# Altium PCB JTAG批量下载板-V1.6-ASCII.PcbDoc (part 14 of 14)
Units mil, origin at the board's own origin, x right, y up, seen from the top; angles counter-clockwise.
Board outline 7947.6 x 7007.76 mil, 2 copper layers (Top Layer, Bottom Layer); 207 components, 340 nets, 1329 pads, 792 vias.
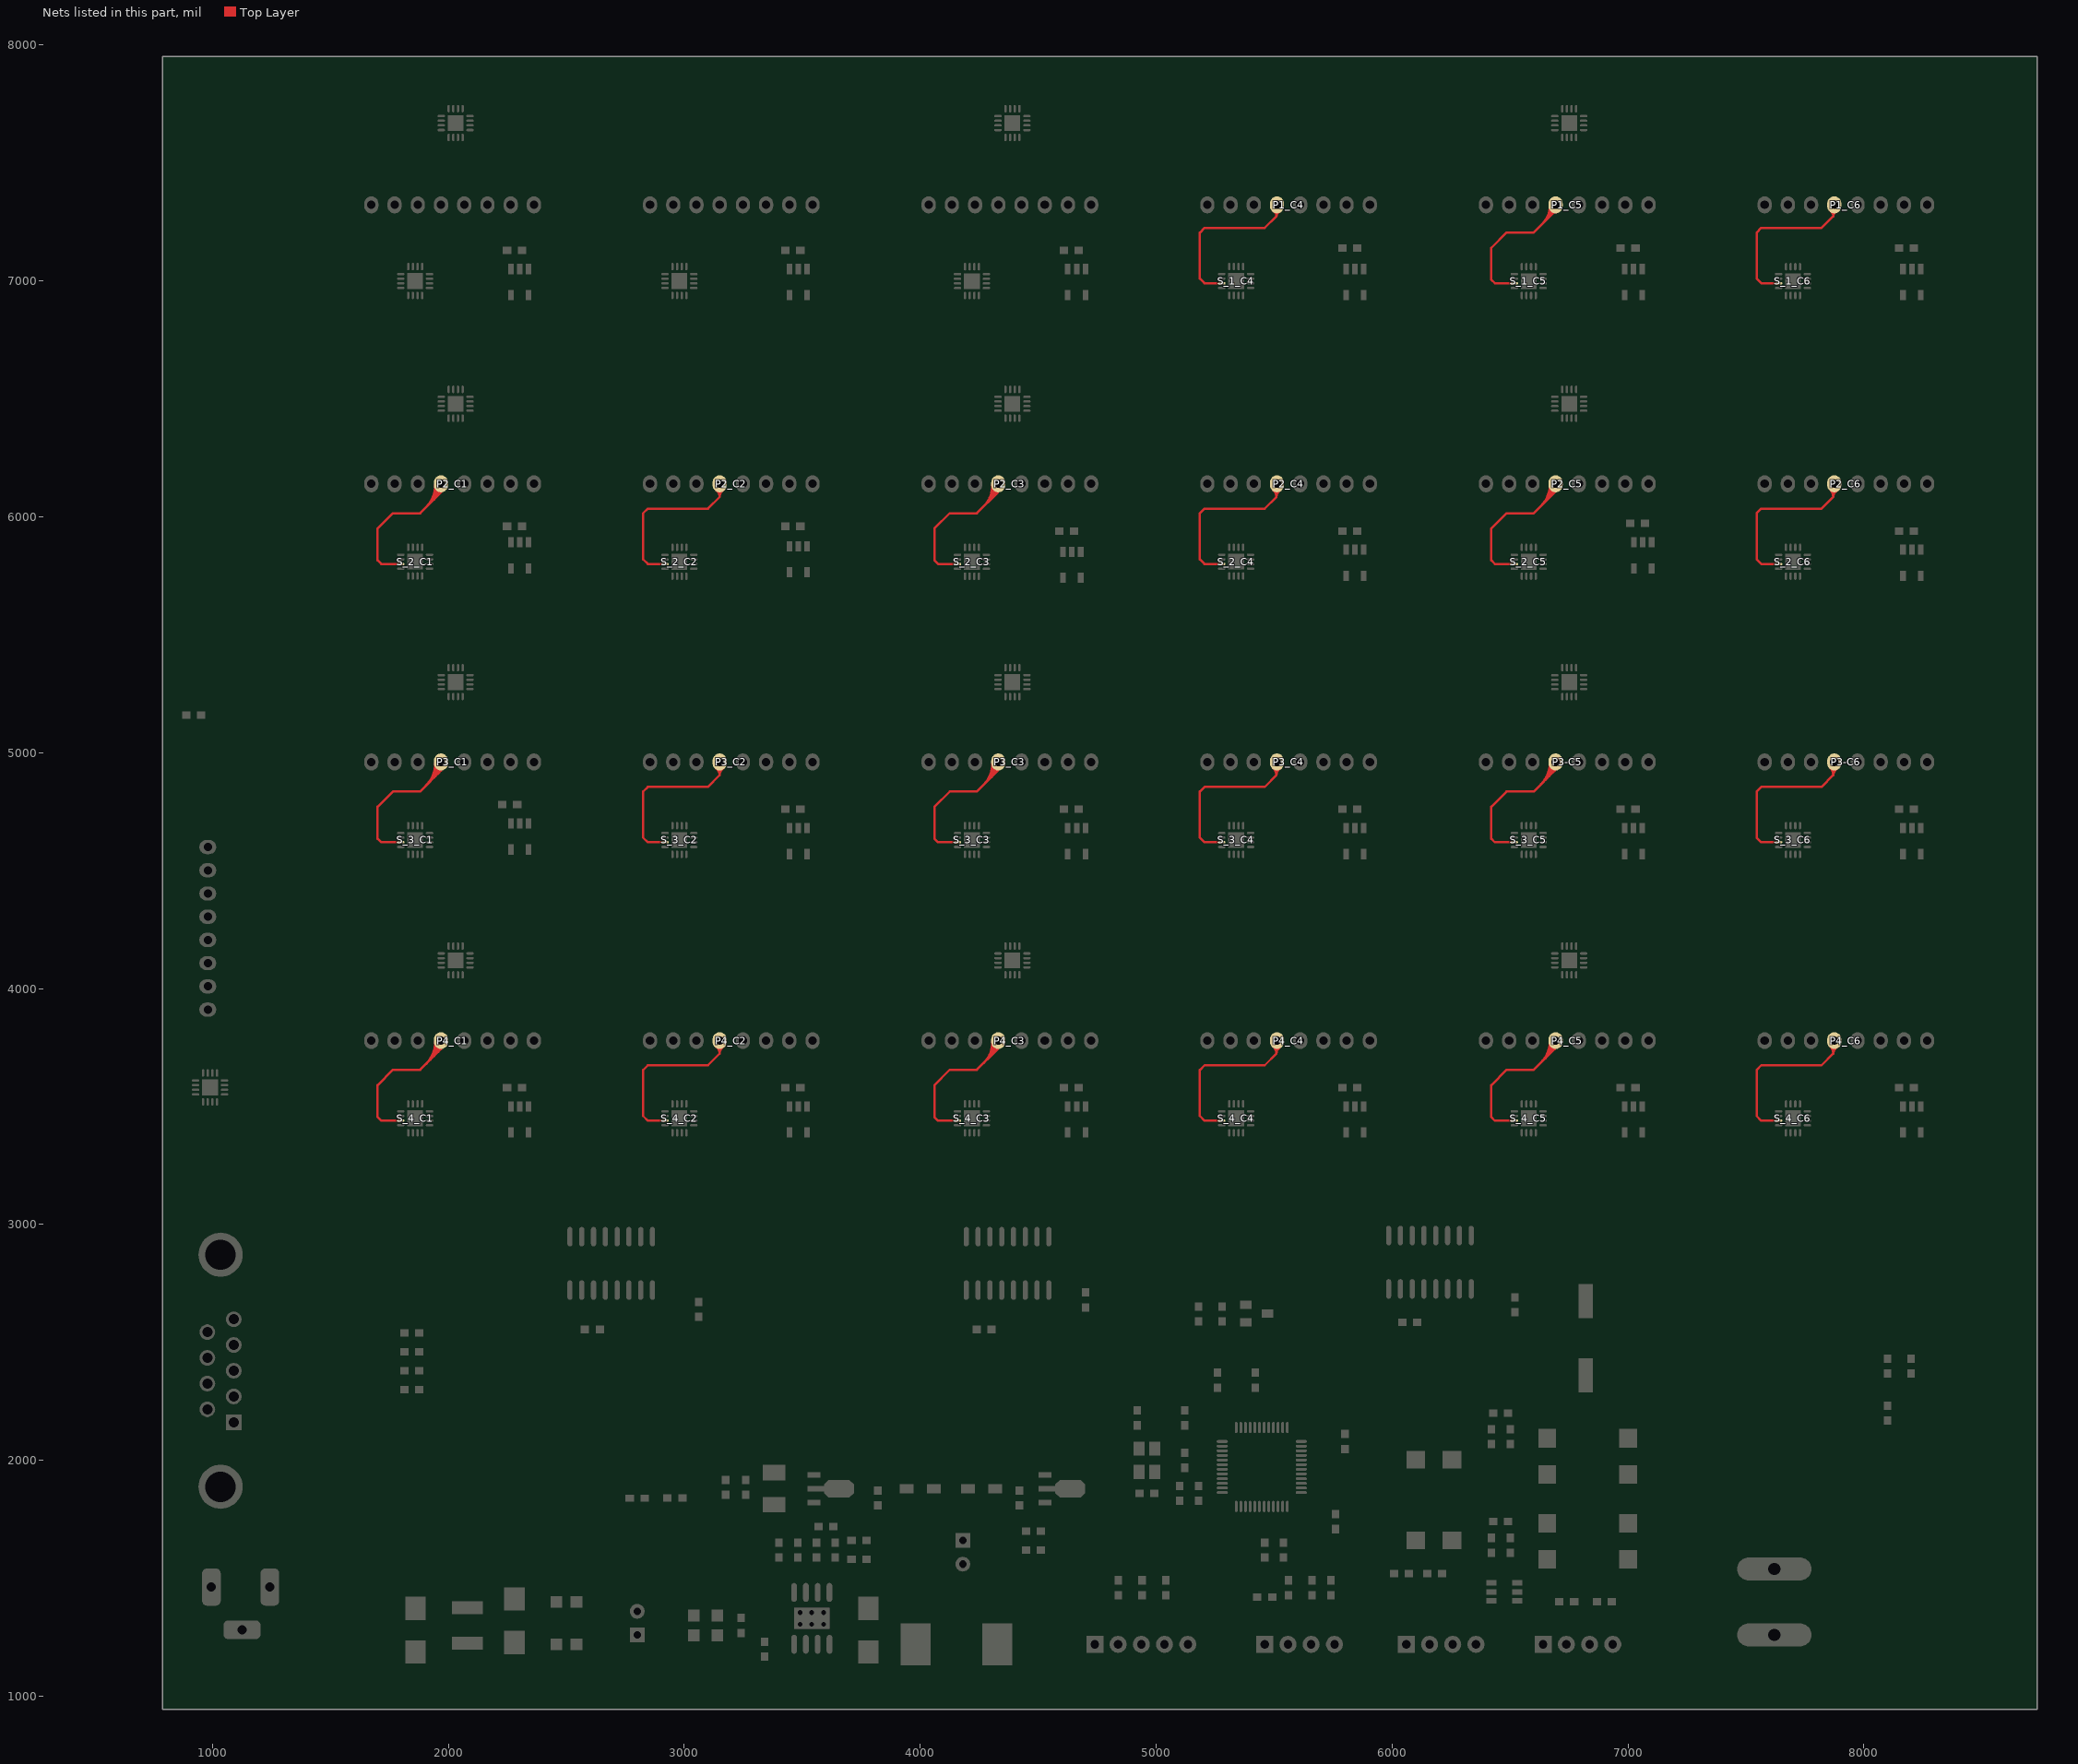
[diagram p14: the nets of this part, all layers, seen from the top]

## Via types
v1: diameter 32, hole 16, Top Layer to Bottom Layer, 721 vias
v2: diameter 50, hole 28, Top Layer to Bottom Layer, 45 vias
v3: diameter 40, hole 20, Top Layer to Bottom Layer, 26 vias

## Nets (pads, with @x,y where several pads share a name; then routed paths per layer and width w, separated by ;. In a path a pad name is that pad's centre, name@x,y a point inside that pad or via, vN(x,y) a via of type N, cw(c..) or ccw(c..) an arc to the next point about the centre after c; other vN are vias at no path point) (continued)
TMS_1_C4: P1_C4.5 S_1_C4.11 | length 747.7
  Top Layer w10: S_1_C4.11@5277.95,6990.18 5204.76,6990.24 5185,7010 5185,7205 5205,7225 5460,7225 5509.61,7274.61 P1_C4.5@5509.61,7322.83 ; P1_C4.5@5498.07,7295.95 cw(c5483.99,7274.55) 5509.61,7274.55 cw(c5531.07,7274.55) P1_C4.5@5522.17,7294.08
TMS_1_C5: P1_C5.5 S_1_C5.11 | length 802.6
  Top Layer w10: S_1_C5.11@6517.95,6990.24 6435.32,6990.24 6420,7005.55 6420,7140.55 6485,7205.55 6600,7205.55 6688.5,7294.06 P1_C5.5@6688.5,7322.83 ; 6637.25,7242.8 ccw(c6563.21,7316.83) P1_C5.5@6667.91,7316.83 ; 6654.32,7259.87 ccw(c6597.35,7316.83) P1_C5.5@6677.91,7316.83 ; 6671.39,7276.94 ccw(c6631.5,7316.83) P1_C5.5@6687.91,7316.83 ; 6681.59,7287.15 cw(c6692.91,7275.83) P1_C5.5@6692.91,7291.83
TMS_1_C6: P1_C6.5 S_1_C6.11 | length 748.7
  Top Layer w10: S_1_C6.11@7637.95,6990.24 7564.76,6990.24 7545,7010 7545,7205 7565,7225 7820,7225 7869.61,7274.61 P1_C6.5@7869.61,7322.83 ; P1_C6.5@7858.54,7297.2 cw(c7840.54,7274.38) 7869.61,7274.38 cw(c7889.96,7274.38) P1_C6.5@7882.8,7293.43
TMS_2_C1: P2_C1.5 S_2_C1.11 | length 903.1
  Top Layer w10: S_2_C1.11@1797.95,5800.18 1715.32,5800.24 1700,5815.55 1700,5950.55 1765,6015.55 1880,6015.55 1968.5,6104.06 P2_C1.5@1968.5,6132.83 ; 1904.65,6040.2 ccw(c1810.86,6134) P2_C1.5@1943.5,6134 ; 1921.72,6057.28 ccw(c1845,6134) P2_C1.5@1953.5,6134 ; 1938.8,6074.35 ccw(c1879.14,6134) P2_C1.5@1963.5,6134 ; 1955.87,6091.42 ccw(c1913.28,6134) P2_C1.5@1973.5,6134
TMS_2_C2: P2_C2.5 S_2_C2.11 | length 765.8
  Top Layer w10: S_2_C2.11@2917.95,5800.24 2844.76,5800.24 2825,5820 2825,6015 2845,6035 3100,6035 3149.61,6084.61 ; P2_C2.5@3134.8,6113.85 cw(c3113.32,6084.61) 3149.61,6084.61 ; P2_C2.5@3149.61,6132.83 3149.61,6084.61 ; P2_C2.5@3164.41,6113.85 ccw(c3185.9,6084.61) 3149.61,6084.61
TMS_2_C3: P2_C3.5 S_2_C3.11 | length 886.4
  Top Layer w10: S_2_C3.11@4157.95,5800.24 4075.32,5800.24 4060,5815.55 4060,5950.55 4125,6015.55 4240,6015.55 4328.5,6104.06 P2_C3.5@4328.5,6132.83 ; 4268.42,6043.97 ccw(c4178.39,6134) P2_C3.5@4305.71,6134 ; 4285.49,6061.04 ccw(c4212.53,6134) P2_C3.5@4315.71,6134 ; 4302.56,6078.11 ccw(c4246.67,6134) P2_C3.5@4325.71,6134 ; 4319.63,6095.18 ccw(c4280.81,6134) P2_C3.5@4335.71,6134
TMS_2_C4: P2_C4.5 S_2_C4.11 | length 788.3
  Top Layer w10: S_2_C4.11@5277.95,5800.18 5204.76,5800.24 5185,5820 5185,6015 5205,6035 5460,6035 5509.61,6084.61 P2_C4.5@5509.61,6132.83 ; P2_C4.5@5495.58,6114.99 cw(c5469.6,6084.56) 5509.61,6084.56 cw(c5543.13,6084.56) P2_C4.5@5525.19,6112.88 ; 5509.61,6102.73 cw(c5531.62,6102.73) P2_C4.5@5519.84,6121.33
TMS_2_C5: P2_C5.5 S_2_C5.11 | length 869.7
  Top Layer w10: S_2_C5.11@6517.95,5800.24 6435.32,5800.24 6420,5815.55 6420,5950.55 6485,6015.55 6600,6015.55 6688.5,6104.06 P2_C5.5@6688.5,6132.83 ; 6632.18,6047.73 ccw(c6545.91,6134) P2_C5.5@6667.91,6134 ; 6649.25,6064.8 ccw(c6580.05,6134) P2_C5.5@6677.91,6134 ; 6666.32,6081.87 ccw(c6614.2,6134) P2_C5.5@6687.91,6134 ; 6683.39,6098.95 ccw(c6648.34,6134) P2_C5.5@6697.91,6134
TMS_2_C6: P2_C6.5 S_2_C6.11 | length 790.8
  Top Layer w10: S_2_C6.11@7637.95,5800.24 7564.76,5800.24 7545,5820 7545,6015 7565,6035 7820,6035 7869.61,6084.61 P2_C6.5@7869.61,6132.83 ; P2_C6.5@7856.37,6116.29 cw(c7824.6,6084.41) 7869.61,6084.41 cw(c7901.12,6084.41) P2_C6.5@7886.01,6112.06 ; 7869.61,6101.27 cw(c7891.9,6101.27) P2_C6.5@7881.21,6120.84
TMS_3_C1: P3_C1.5 S_3_C1.11 | length 907.9
  Top Layer w10: S_3_C1.11@1797.95,4620.18 1715.32,4620.24 1700,4635.55 1700,4770.55 1765,4835.55 1880,4835.55 1968.5,4924.06 P3_C1.5@1968.5,4952.83 ; 1904.21,4859.76 ccw(c1809.34,4954.63) P3_C1.5@1943.5,4954.63 ; 1921.28,4876.83 ccw(c1843.48,4954.63) P3_C1.5@1953.5,4954.63 ; 1938.35,4893.9 ccw(c1877.62,4954.63) P3_C1.5@1963.5,4954.63 ; 1955.42,4910.97 ccw(c1911.76,4954.63) P3_C1.5@1973.5,4954.63
TMS_3_C2: P3_C2.5 S_3_C2.11 | length 809.2
  Top Layer w10: S_3_C2.11@2917.95,4620.18 2844.76,4620.24 2825,4640 2825,4835 2845,4855 3100,4855 3149.61,4904.61 ; P3_C2.5@3134.6,4934.63 cw(c3112.07,4904.61) 3149.61,4904.61 ; P3_C2.5@3140.6,4942.63 cw(c3127.08,4924.62) 3149.61,4924.62 cw(c3172.13,4924.62) P3_C2.5@3158.61,4942.63 ; P3_C2.5@3149.61,4952.83 3149.61,4904.61 ; P3_C2.5@3164.61,4934.63 ccw(c3187.15,4904.61) 3149.61,4904.61
TMS_3_C3: P3_C3.5 S_3_C3.11 | length 891.2
  Top Layer w10: S_3_C3.11@4157.95,4620.18 4075.32,4620.24 4060,4635.55 4060,4770.55 4125,4835.55 4240,4835.55 4328.5,4924.06 P3_C3.5@4328.5,4952.83 ; 4267.97,4863.52 ccw(c4176.86,4954.63) P3_C3.5@4305.71,4954.63 ; 4285.04,4880.59 ccw(c4211.01,4954.63) P3_C3.5@4315.71,4954.63 ; 4302.11,4897.66 ccw(c4245.15,4954.63) P3_C3.5@4325.71,4954.63 ; 4319.18,4914.74 ccw(c4279.29,4954.63) P3_C3.5@4335.71,4954.63
TMS_3_C4: P3_C4.5 S_3_C4.11 | length 790.3
  Top Layer w10: S_3_C4.11@5277.95,4620.18 5204.76,4620.24 5185,4640 5185,4835 5205,4855 5460,4855 5509.61,4904.61 P3_C4.5@5509.61,4952.83 ; P3_C4.5@5495.4,4935.77 cw(c5468.22,4904.56) 5509.61,4904.56 cw(c5544.28,4904.56) P3_C4.5@5525.42,4933.66 ; 5509.61,4922.97 cw(c5532.35,4922.97) P3_C4.5@5519.97,4942.05
TMS_3_C5: P3-C5.5 S_3_C5.11 | length 874.5
  Top Layer w10: S_3_C5.11@6517.95,4620.18 6435.32,4620.24 6420,4635.55 6420,4770.55 6485,4835.55 6600,4835.55 6688.5,4924.06 P3-C5.5@6688.5,4952.83 ; 6631.74,4867.29 ccw(c6544.39,4954.63) P3-C5.5@6667.91,4954.63 ; 6648.81,4884.36 ccw(c6578.53,4954.63) P3-C5.5@6677.91,4954.63 ; 6665.88,4901.43 ccw(c6612.68,4954.63) P3-C5.5@6687.91,4954.63 ; 6682.95,4918.5 ccw(c6646.82,4954.63) P3-C5.5@6697.91,4954.63
TMS_3_C6: P3-C6.5 S_3_C6.11 | length 792.3
  Top Layer w10: S_3_C6.11@7637.95,4620.18 7564.76,4620.24 7545,4640 7545,4835 7565,4855 7820,4855 7869.61,4904.61 P3-C6.5@7869.61,4952.83 ; P3-C6.5@7856.34,4936.95 cw(c7824.31,4904.92) 7869.61,4904.92 ; 7869.61,4904.42 cw(c7902.18,4904.42) P3-C6.5@7886.25,4932.83 ; 7869.61,4921.49 cw(c7892.6,4921.49) P3-C6.5@7881.35,4941.55
TMS_4_C1: P4_C1.5 S_4_C1.11 | length 899.5
  Top Layer w10: S_4_C1.11@1797.95,3440.18 1715.32,3440.24 1700,3455.55 1700,3590.55 1765,3655.55 1880,3655.55 1968.5,3744.06 P4_C1.5@1968.5,3772.83 ; 1904.99,3680.54 ccw(c1812,3773.53) P4_C1.5@1943.5,3773.53 ; 1922.06,3697.61 ccw(c1846.14,3773.53) P4_C1.5@1953.5,3773.53 ; 1939.13,3714.68 ccw(c1880.28,3773.53) P4_C1.5@1963.5,3773.53 ; 1956.2,3731.75 ccw(c1914.42,3773.53) P4_C1.5@1973.5,3773.53
TMS_4_C2: P4_C2.5 S_4_C2.11 | length 764.6
  Top Layer w10: S_4_C2.11@2917.95,3440.18 2844.76,3440.24 2825,3460 2825,3655 2845,3675 3100,3675 3149.61,3724.61 ; P4_C2.5@3134.96,3753.27 cw(c3114.25,3724.61) 3149.61,3724.61 ; P4_C2.5@3149.61,3772.83 3149.61,3724.61 ; P4_C2.5@3164.25,3753.27 ccw(c3184.97,3724.61) 3149.61,3724.61
TMS_4_C3: P4_C3.5 S_4_C3.11 | length 882.8
  Top Layer w10: S_4_C3.11@4157.95,3440.18 4075.32,3440.24 4060,3455.55 4060,3590.55 4125,3655.55 4240,3655.55 4328.5,3744.06 P4_C3.5@4328.5,3772.83 ; 4268.75,3684.3 ccw(c4179.53,3773.53) P4_C3.5@4305.71,3773.53 ; 4285.82,3701.37 ccw(c4213.67,3773.53) P4_C3.5@4315.71,3773.53 ; 4302.89,3718.44 ccw(c4247.81,3773.53) P4_C3.5@4325.71,3773.53 ; 4319.96,3735.52 ccw(c4281.95,3773.53) P4_C3.5@4335.71,3773.53
TMS_4_C4: P4_C4.5 S_4_C4.11 | length 786.7
  Top Layer w10: S_4_C4.11@5277.95,3440.18 5204.76,3440.24 5185,3460 5185,3655 5205,3675 5460,3675 5509.61,3724.61 P4_C4.5@5509.61,3772.83 ; P4_C4.5@5495.72,3754.4 cw(c5470.62,3724.56) 5509.61,3724.56 cw(c5542.28,3724.56) P4_C4.5@5525.02,3752.3 ; 5509.61,3742.56 cw(c5531.08,3742.56) P4_C4.5@5519.74,3760.79
TMS_4_C5: P4_C5.5 S_4_C5.11 | length 866.1
  Top Layer w10: S_4_C5.11@6517.95,3440.18 6435.32,3440.24 6420,3455.55 6420,3590.55 6485,3655.55 6600,3655.55 6688.5,3744.06 P4_C5.5@6688.5,3772.83 ; 6632.51,3688.07 ccw(c6547.05,3773.53) P4_C5.5@6667.91,3773.53 ; 6649.59,3705.14 ccw(c6581.2,3773.53) P4_C5.5@6677.91,3773.53 ; 6666.66,3722.21 ccw(c6615.34,3773.53) P4_C5.5@6687.91,3773.53 ; 6683.73,3739.28 ccw(c6649.48,3773.53) P4_C5.5@6697.91,3773.53
TMS_4_C6: P4_C6.5 S_4_C6.11 | length 789.3
  Top Layer w10: S_4_C6.11@7637.95,3440.18 7564.76,3440.24 7545,3460 7545,3655 7565,3675 7820,3675 7869.61,3724.61 P4_C6.5@7869.61,3772.83 ; P4_C6.5@7856.49,3755.7 cw(c7825.73,3724.41) 7869.61,3724.41 cw(c7900.33,3724.41) P4_C6.5@7885.82,3751.49 ; 7869.61,3741.11 cw(c7891.38,3741.11) P4_C6.5@7881.1,3760.31
pads on no net: J1.2 J1.4 J1.6 J1.10 J1.11 J-I-S.7 J-I-S.8 J-I-S.9 J-I-S.10 J-I-S.11 J-I-S.12 J-I-S.13 P0.3 S_1_C1.1 S_1_C1.5 S_1_C1.9 S_1_C1.13 S_1_C2.1 S_1_C2.5 S_1_C2.9 S_1_C2.13 S_1_C3.1 S_1_C3.5 S_1_C3.9 S_1_C3.13 S_1_C4.1 S_1_C4.5 S_1_C4.9 S_1_C4.13 S_1_C5.1 S_1_C5.5 S_1_C5.9 S_1_C5.13 S_1_C6.1 S_1_C6.5 S_1_C6.9 S_1_C6.13 S_2_C1.1 S_2_C1.5 S_2_C1.9 S_2_C1.13 S_2_C2.1 S_2_C2.5 S_2_C2.9 S_2_C2.13 S_2_C3.1 S_2_C3.5 S_2_C3.9 S_2_C3.13 S_2_C4.1 S_2_C4.5 S_2_C4.9 S_2_C4.13 S_2_C5.1 S_2_C5.5 S_2_C5.9 S_2_C5.13 S_2_C6.1 S_2_C6.5 S_2_C6.9 S_2_C6.13 S_3_C1.1 S_3_C1.5 S_3_C1.9 S_3_C1.13 S_3_C2.1 S_3_C2.5 S_3_C2.9 S_3_C2.13 S_3_C3.1 S_3_C3.5 S_3_C3.9 S_3_C3.13 S_3_C4.1 S_3_C4.5 S_3_C4.9 S_3_C4.13 S_3_C5.1 S_3_C5.5 S_3_C5.9 S_3_C5.13 S_3_C6.1 S_3_C6.5 S_3_C6.9 S_3_C6.13 S_4_C1.1 S_4_C1.5 S_4_C1.9 S_4_C1.13 S_4_C2.1 S_4_C2.5 S_4_C2.9 S_4_C2.13 S_4_C3.1 S_4_C3.5 S_4_C3.9 S_4_C3.13 S_4_C4.1 S_4_C4.5 S_4_C4.9 S_4_C4.13 S_4_C5.1 S_4_C5.5 S_4_C5.9 S_4_C5.13 S_4_C6.1 S_4_C6.5 S_4_C6.9 S_4_C6.13 U6.2 U6.10 U6.11 U6.14 U6.15 U6.16 U6.18 U6.19 U6.25 U6.26 U6.33 U6.38 U6.39 U6.40 U6.41 U15.9 Y1.2 Y1.4
copper on no net:
  other v2: 7035,1025 4600,1040

## Polygon pours and split planes (outlines as drawn)
GND on Top Layer "Top Layer-No Net" (solid, remove dead copper, pour order 1000): 869.65,7907.53 894.65,7882.53 8654.65,7882.53 8654.65,1027.53 8659.65,1022.53 8234.65,1022.53 864.65,1022.53 859.65,1027.53 859.65,7882.53 894.65,7882.53
GND on Bottom Layer "Top Layer-No Net" (solid, remove dead copper, pour order 1001): 862.02,7887.17 8657.02,7887.17 8657.02,1027.17 8652.02,1022.17 862.02,1022.17 862.02,7887.17

## Keep-outs
Keep-Out Layer:
  circle w12: c8587.01,7755.91 r62.99
  circle w12: c987.01,1085 r62.99
  circle w12: c987.01,7755.91 r62.99
  circle w12: c8587.01,1085 r62.99
  lines w10: 787.4,945 8735,945 8735,7952.76 787.4,7952.76 787.4,945

## Silkscreen, mask and mechanical layers (free items; w line width, h text height)
Top Overlay:
  circle w30: c1960,5750 r15
  circle w30: c4475,7755 r15
  circle w30: c2115,7760 r15
  circle w40: c2921.08,2955 r20
  circle w40: c4601.08,2955 r20
  circle w40: c6395,2970 r20
  circle w20: c6428.82,1515 r11.18
  circle w30: c5278.07,2140 r26.93
  circle w20: c5037.76,1950.79 r15.32
  circle w30: c6680,3395 r15
  circle w30: c4315,4570 r15
  circle w30: c5435,4565 r15
  circle w30: c6675,4570 r15
  circle w30: c6670,5745 r15
  circle w30: c1960,6940 r15
  circle w30: c2120,6560 r15
  circle w30: c3080,6940 r15
  circle w30: c4470,6565 r15
  circle w30: c4315,6935 r15
  circle w30: c6830,7755 r15
  circle w30: c5435,6935 r15
  circle w30: c6825,6565 r15
  circle w30: c6680,6940 r15
  circle w30: c7785,5745 r15
  circle w30: c7795,6940 r15
  circle w30: c6840,5375 r15
  circle w30: c5435,5745 r15
  circle w30: c4480,5380 r15
  circle w30: c2120,5375 r15
  circle w30: c2120,4205 r15
  circle w30: c1955,4565 r15
  circle w30: c3075,4570 r15
  circle w30: c4470,4205 r15
  circle w30: c6840,4200 r15
  circle w30: c7795,4570 r15
  circle w30: c7795,3390 r15
  circle w30: c5435,3385 r15
  circle w30: c4315,3385 r15
  circle w30: c3080,3390 r15
  circle w30: c1955,3390 r15
  circle w40: c2921.08,2955 r20
  circle w40: c4601.08,2955 r20
  circle w40: c6395,2970 r20
  circle w20: c6428.82,1515 r11.18
  circle w30: c5278.07,2140 r26.93
  circle w20: c5037.76,1950.79 r15.32
  circle w30: c3080,5750 r15
  circle w30: c4320,5750 r15
  text "RST" at 6135,2200 h60
  text "RST" at 6135,2200 h60
  text "HC89S003F4 DOWNLOAD -V1.6" at 1280,2090 h100
  text "TURN OFF for JTAG Download" at 7185,2040 h60
  text "TURN ON for ISP Download" at 7075,1035 h60
  text "PRINT" at 4940,990 h60
  text "PRINT" at 4940,990 h60
  text "LCD" at 5615,990 h60
  text "LCD" at 5615,990 h60
  text "SWD" at 6250,985 h60
  text "SWD" at 6250,985 h60
  text "ISP" at 6845,985 h60
  text "ISP" at 6845,985 h60

## Text inside footprints (layer, text, board x,y; h text height)
J1: Top Overlay "6" at 855.87,2196.73 h59.06 r90; Top Overlay "9" at 855.87,2523.9 h59.06 r90; Top Overlay "5" at 1225.94,2578.43 h59.06 r90; Top Overlay "1" at 1225.94,2152.05 h59.06 r90
LD0: Top Overlay "+" at 2853.5,1815 h78.74 r180
LS1: Top Overlay "+" at 6850,2750 h80 r270